# Altium PCB S7CAS-PLEIADES-CARTE-FILLE_P02.PcbDoc (part 1 of 3) (continued)
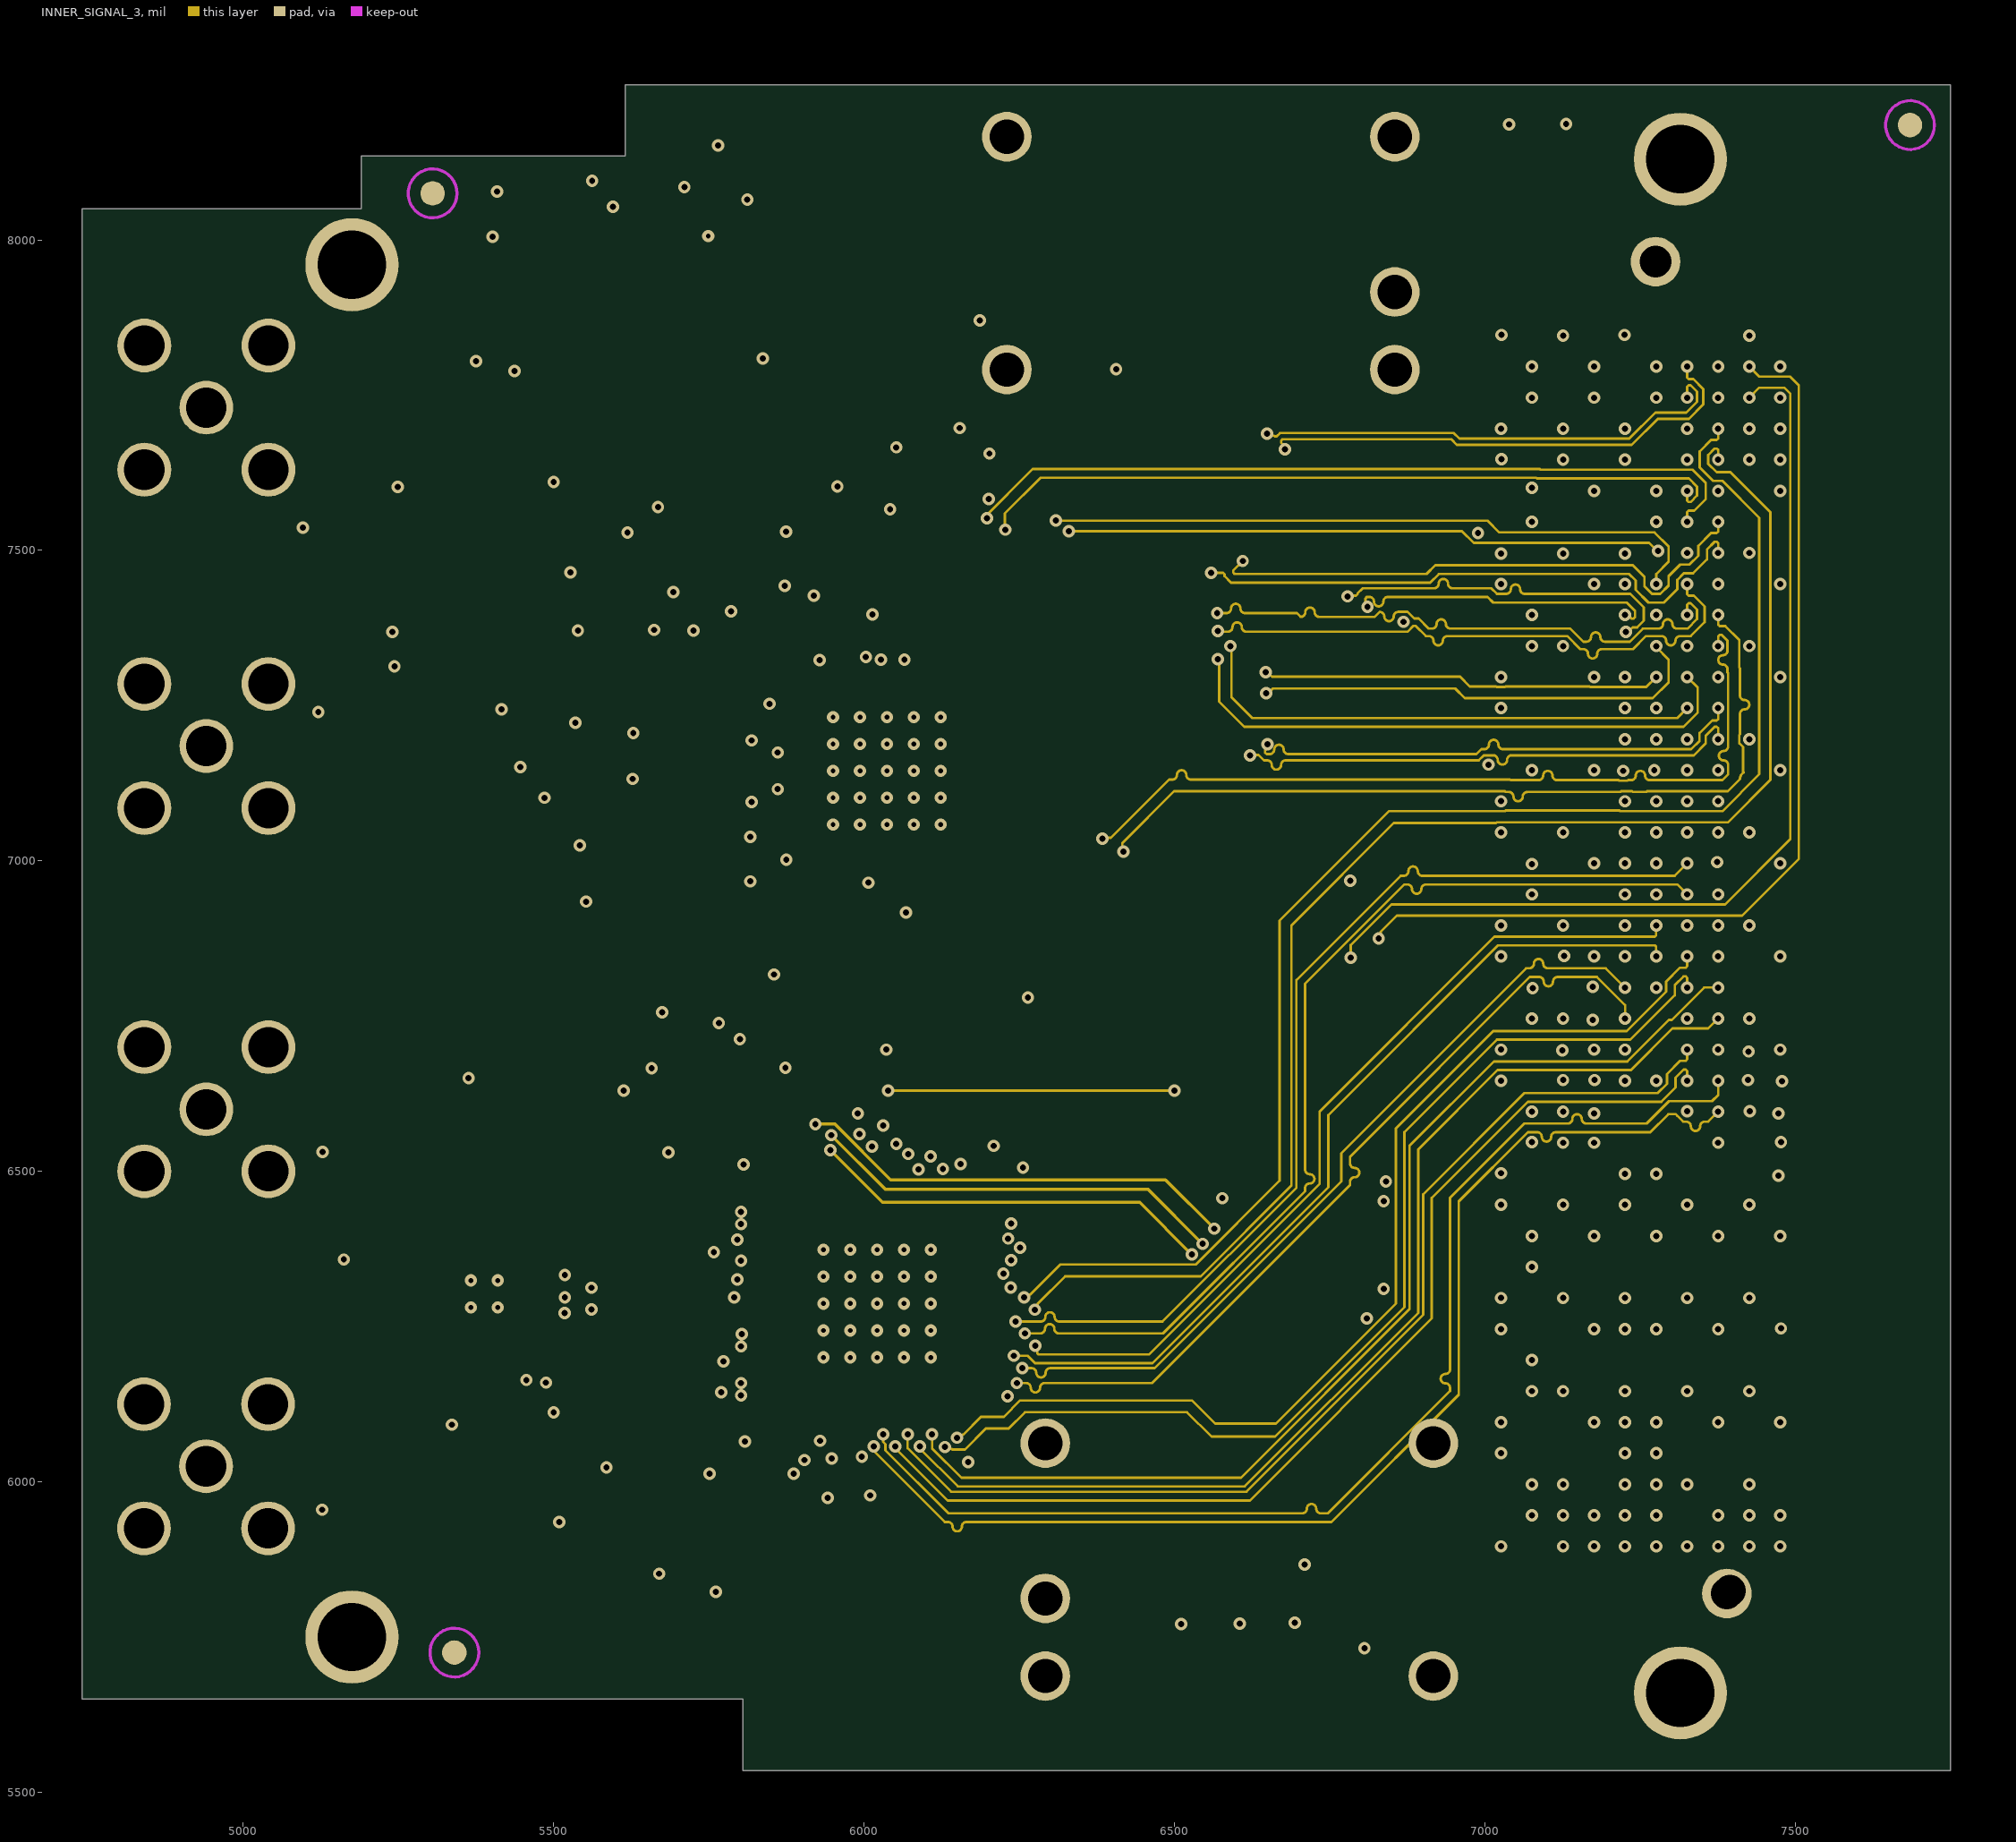
[diagram p3: INNER_SIGNAL_3]
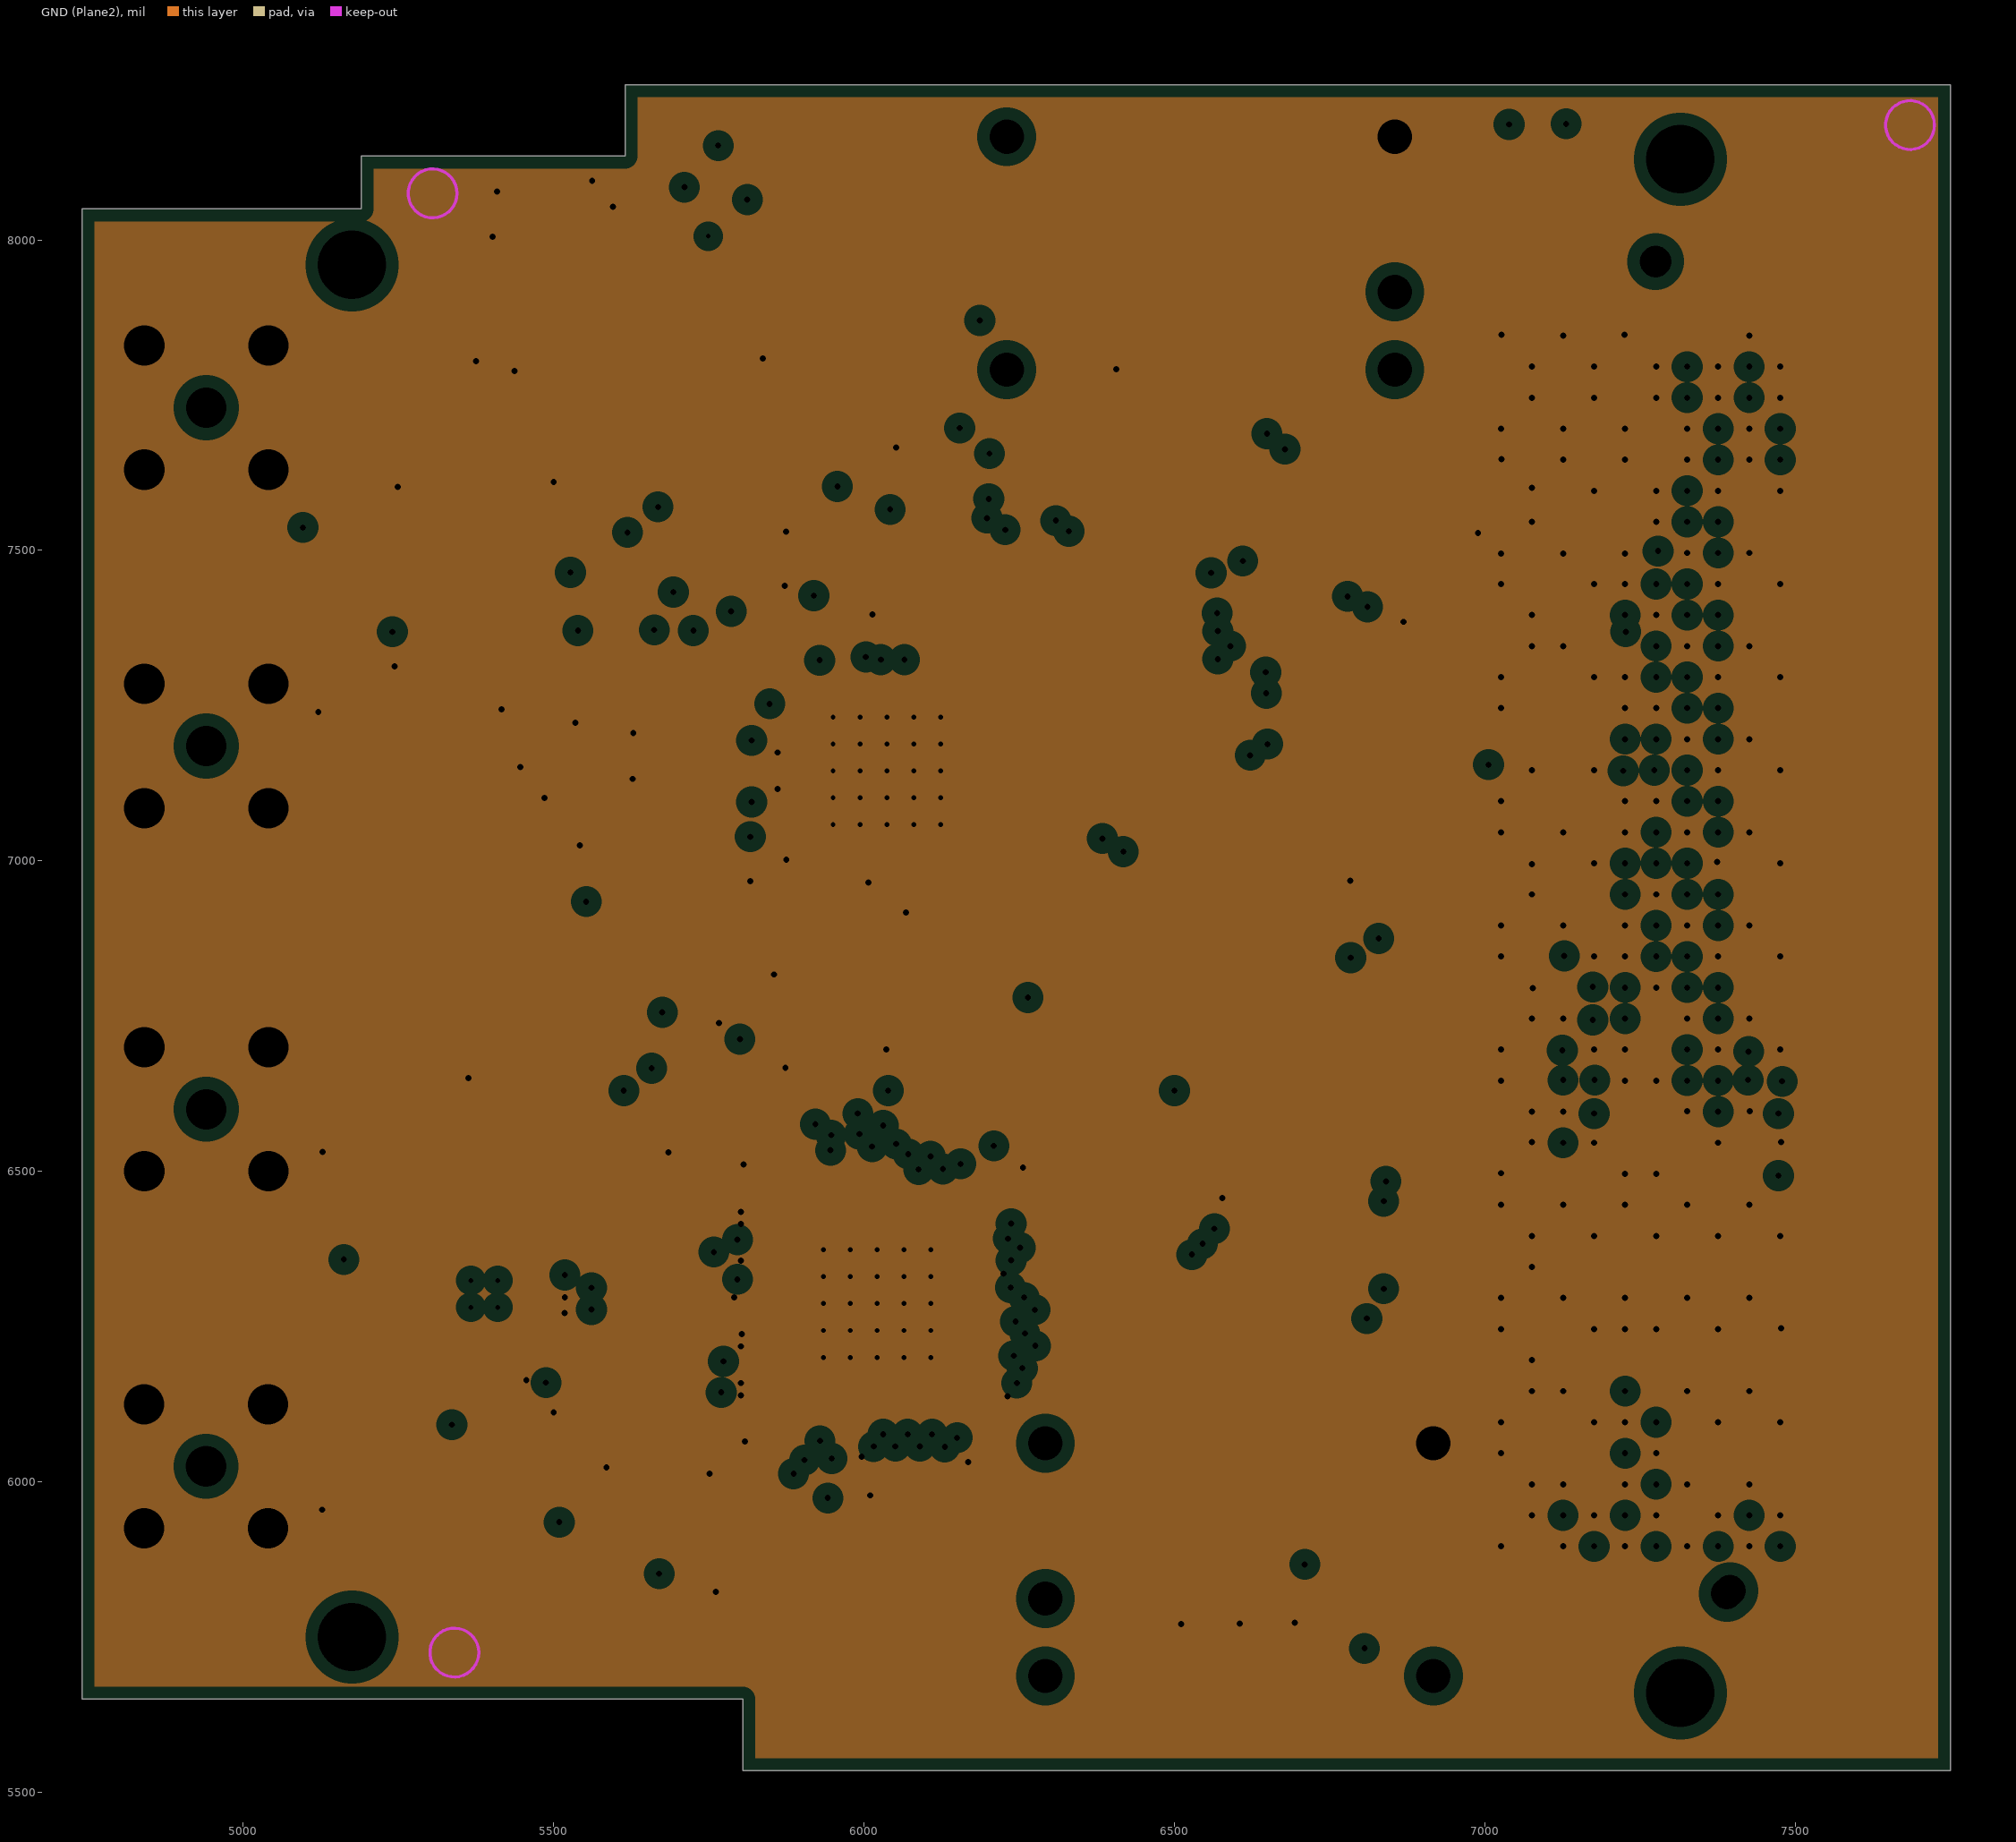
[diagram p4: GND (Plane2), clearances drawn from the general rule]
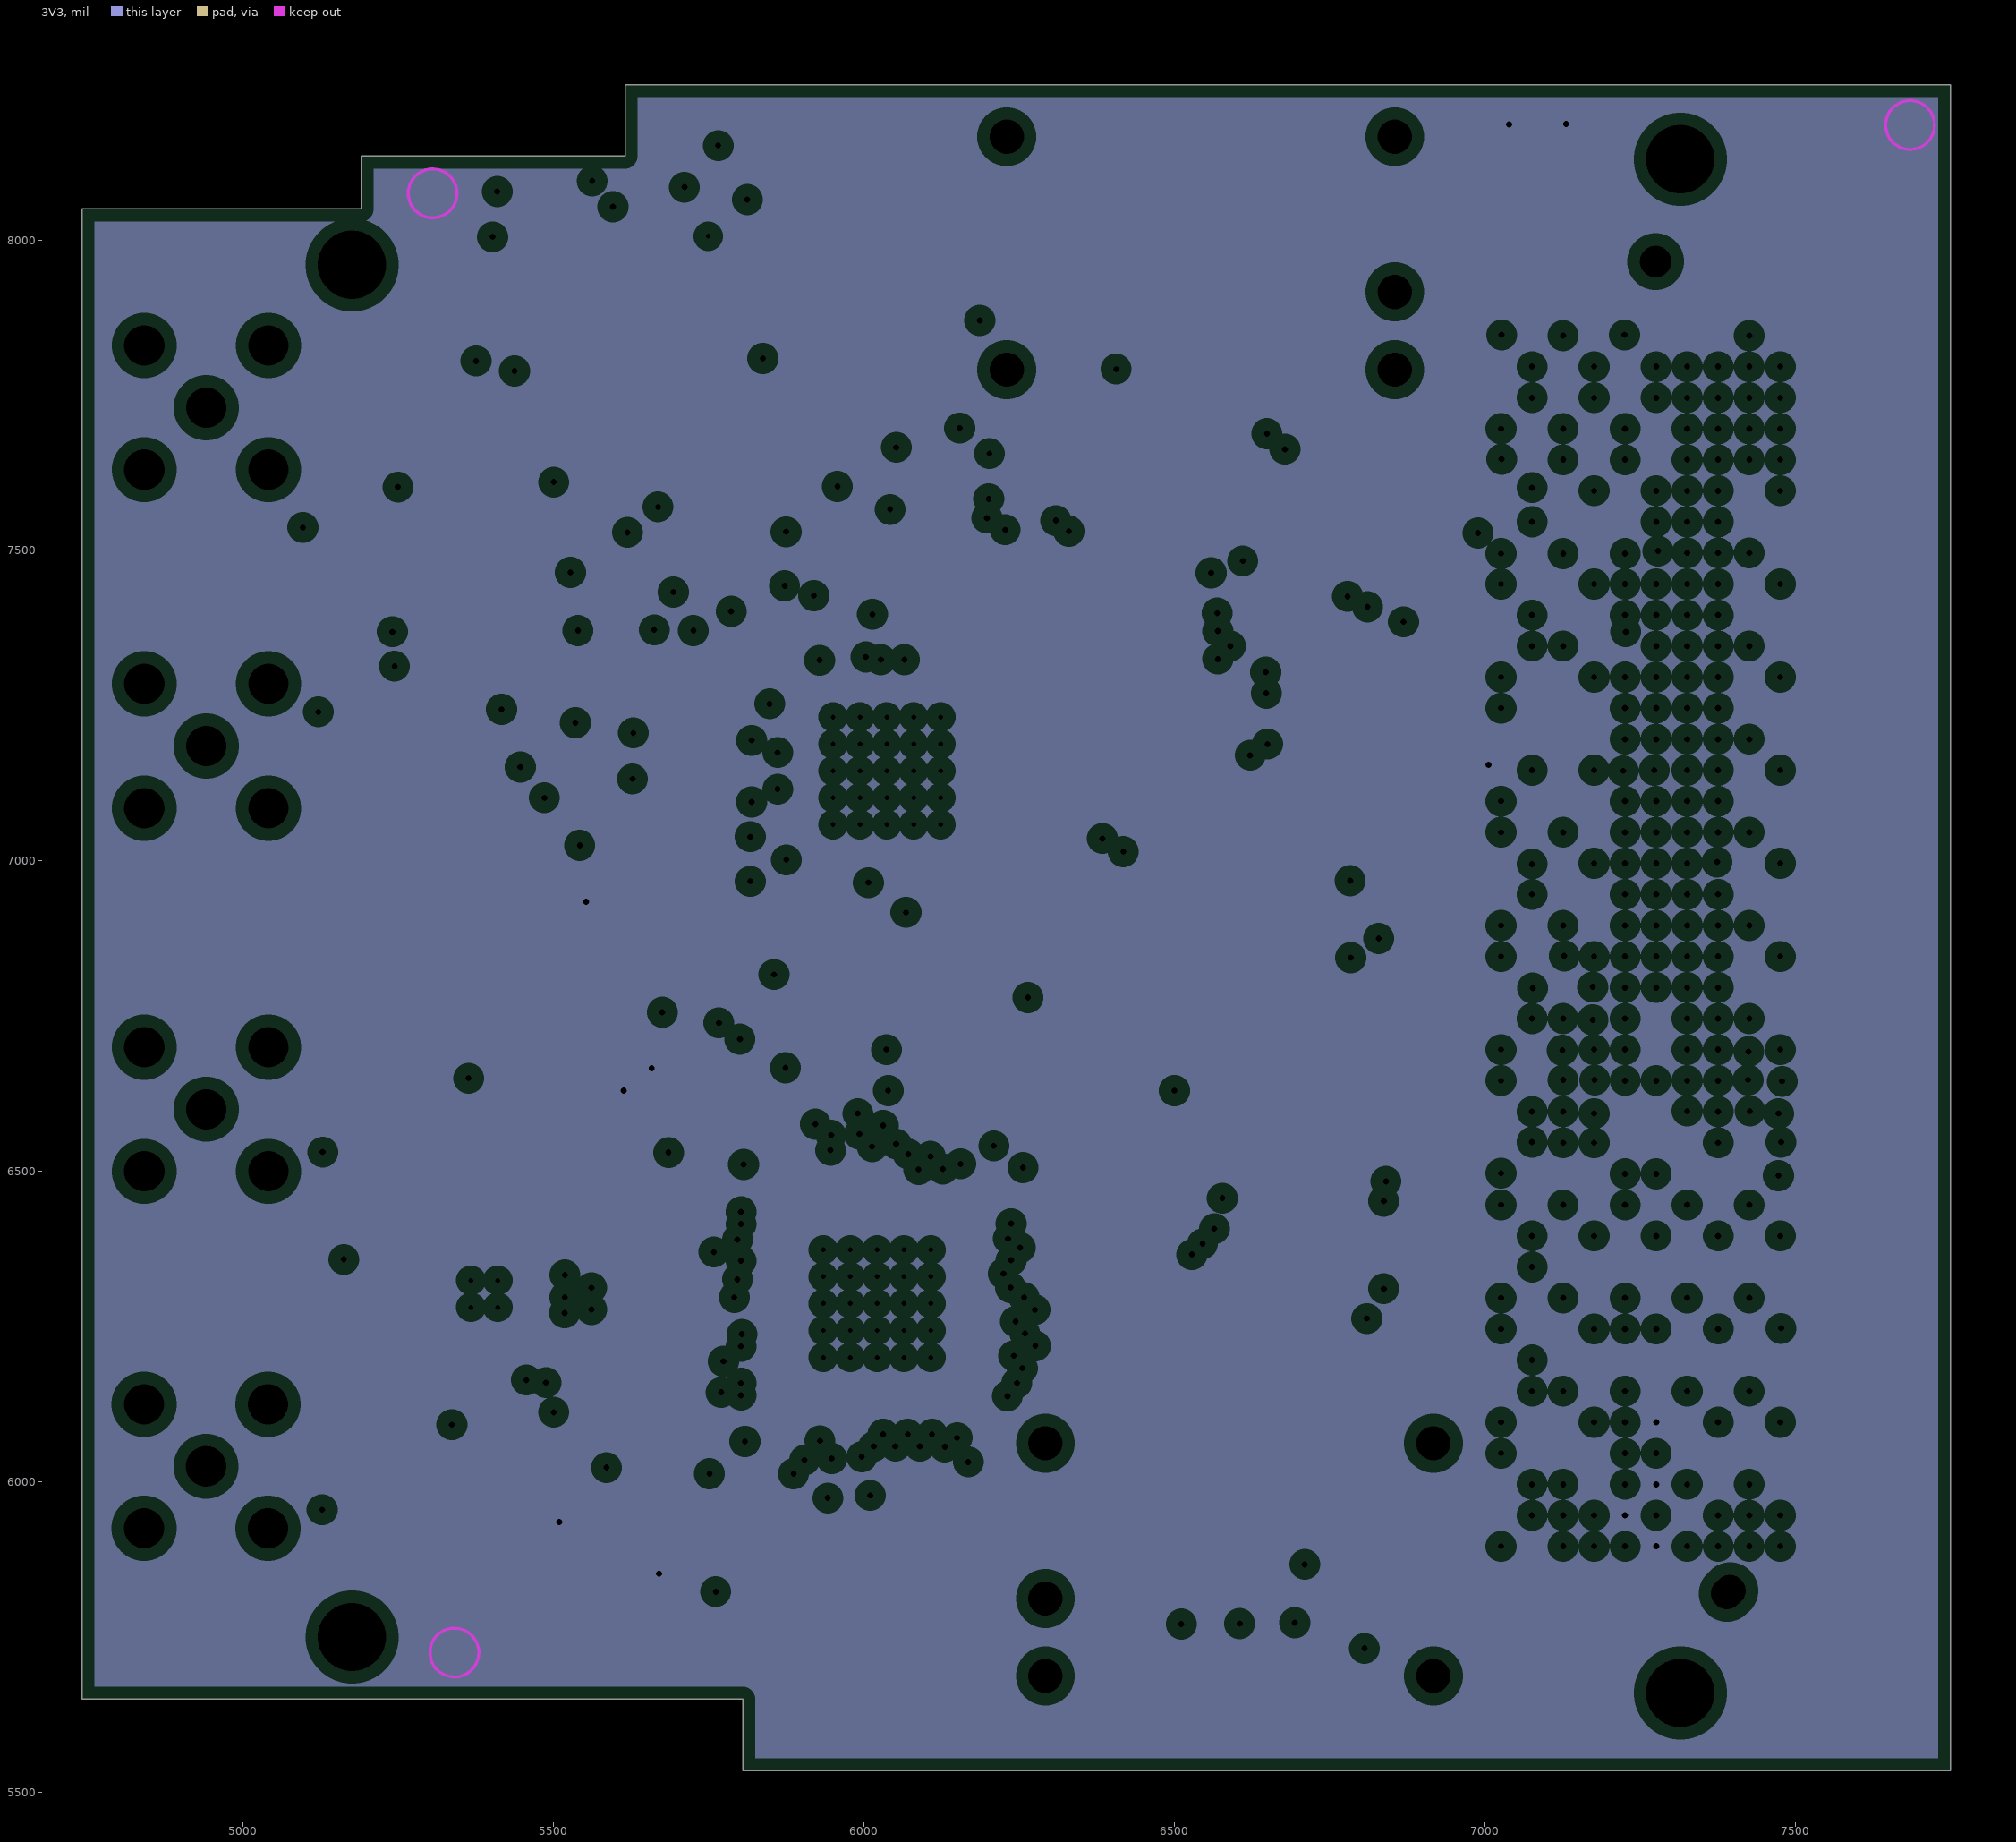
[diagram p5: 3V3, clearances drawn from the general rule]
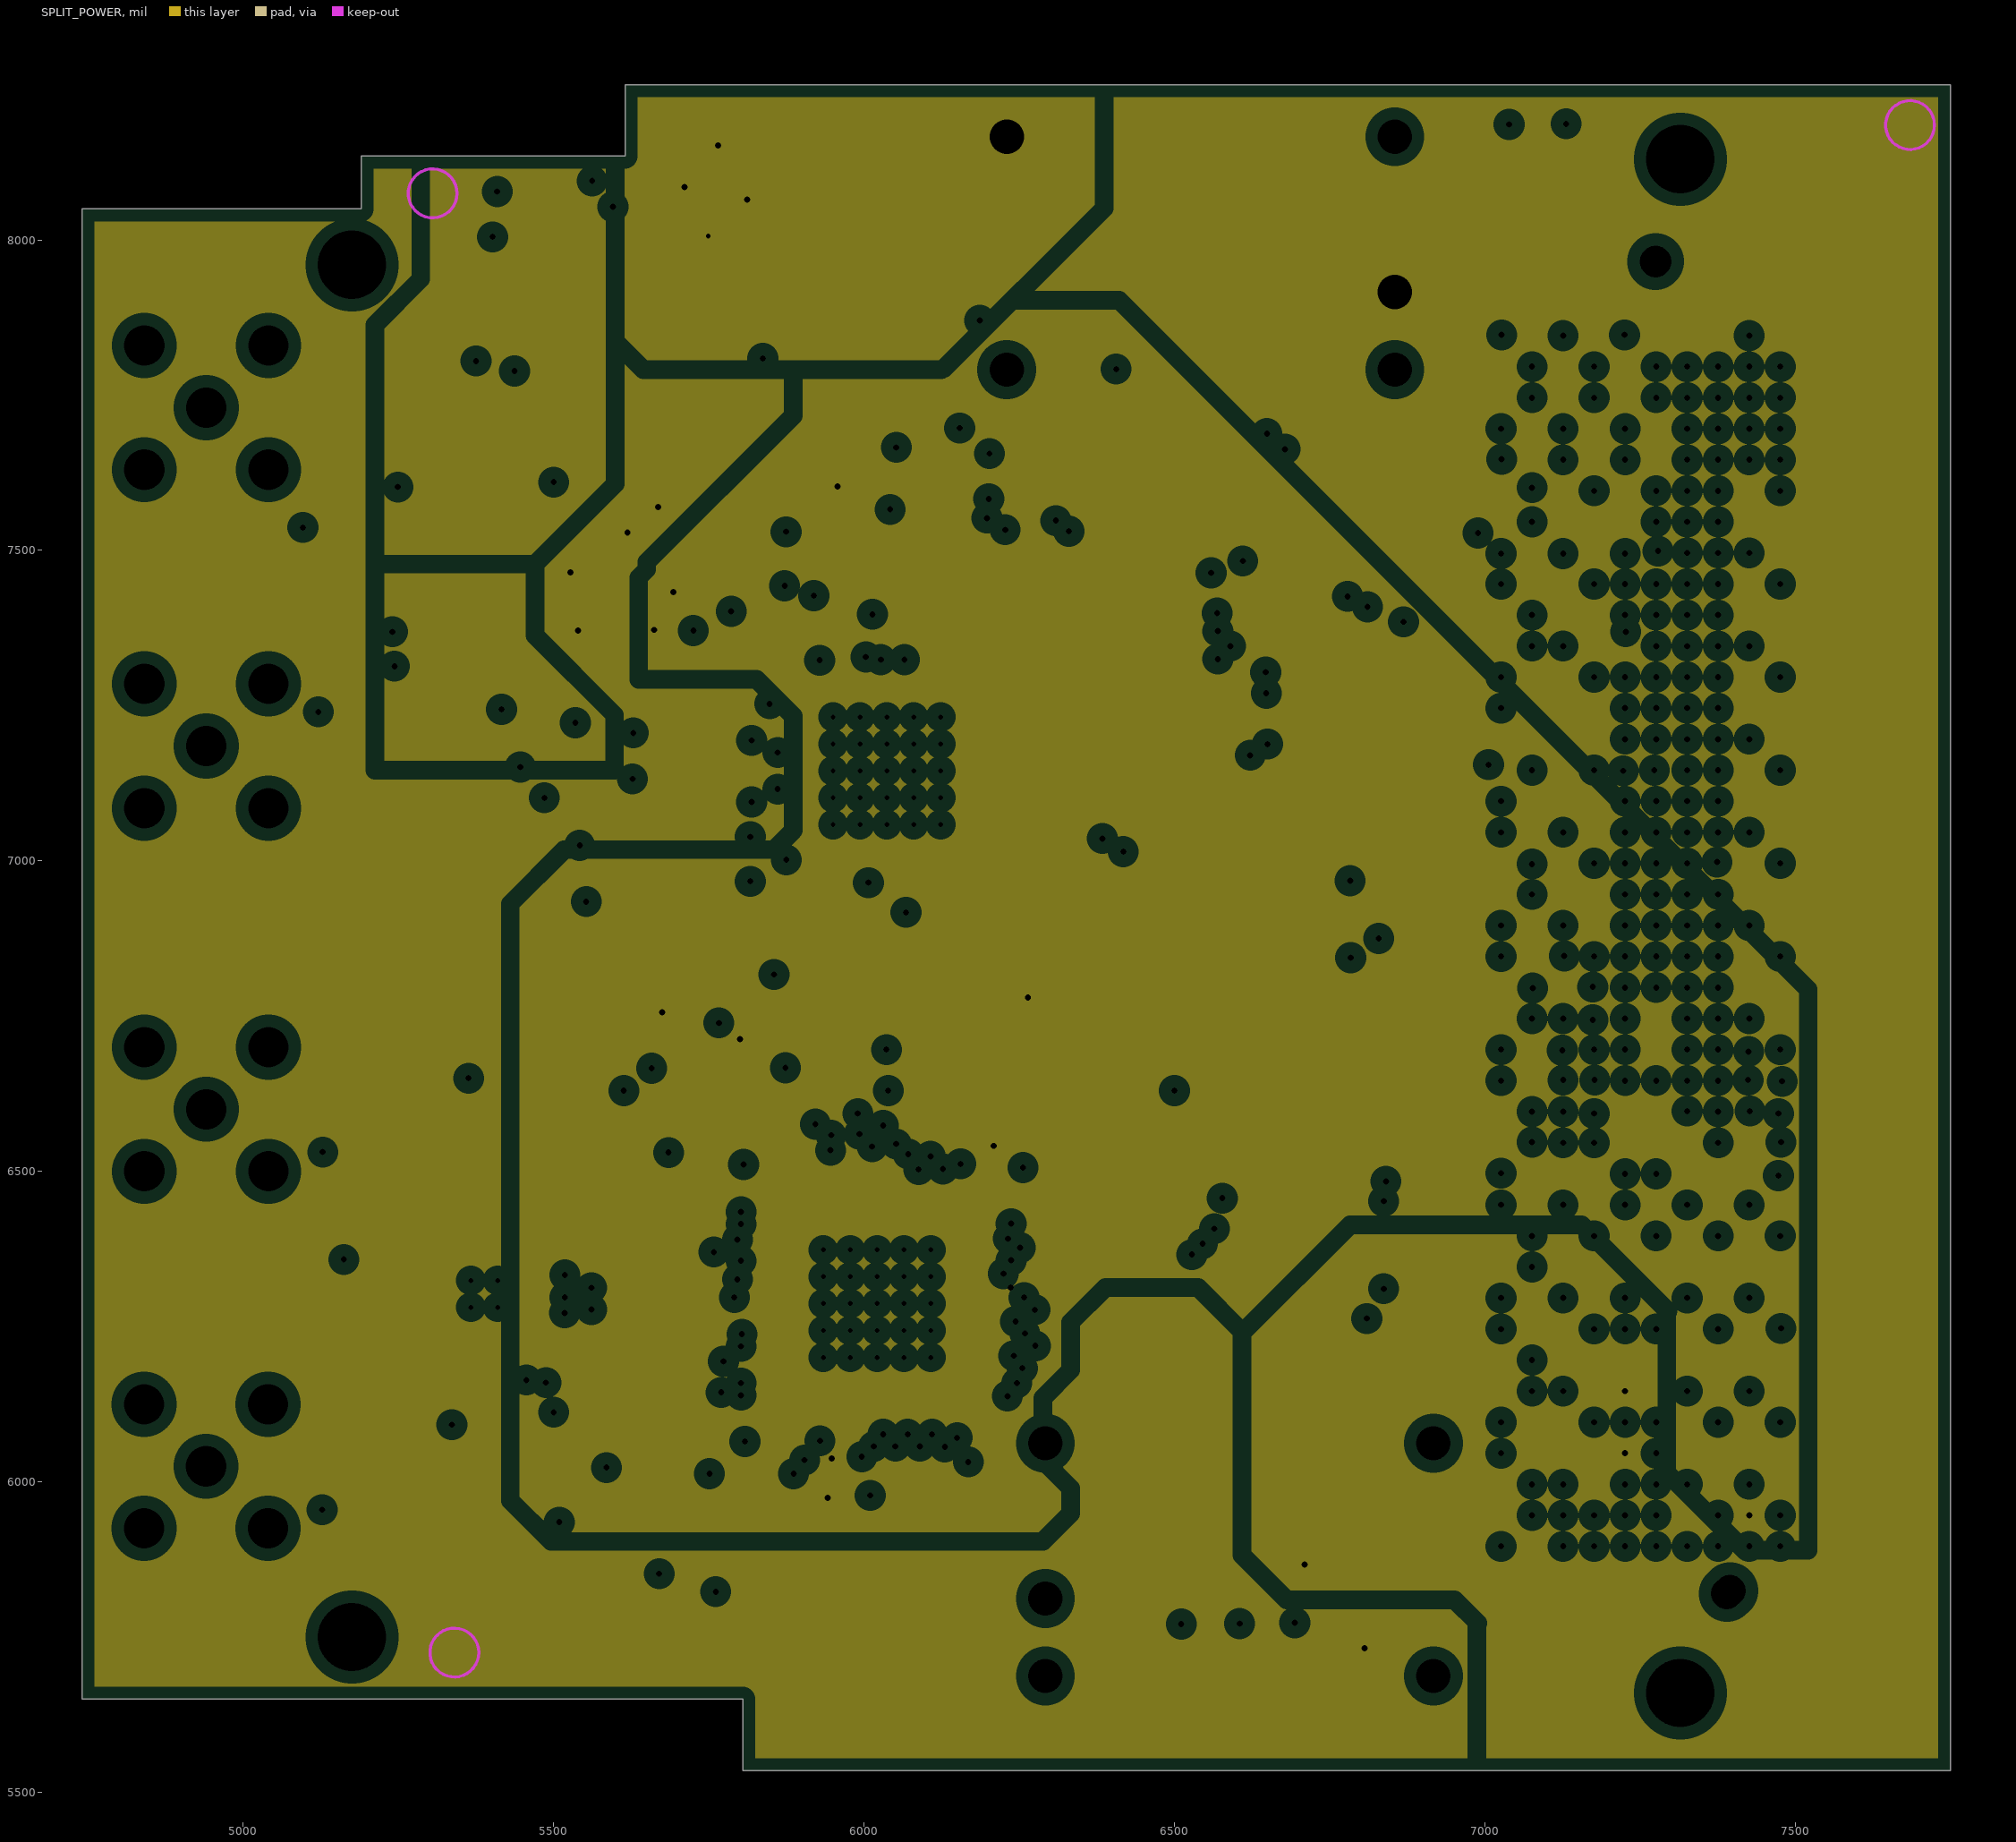
[diagram p6: SPLIT_POWER, clearances drawn from the general rule]